# Altium PCB SMT2_1.PcbDoc (part 1 of 2)
Units mm, origin at the board's own origin, x right, y up, seen from the top; angles counter-clockwise.
Board outline 112.3 x 69.6 mm, 2 copper layers (Top Layer, Bottom Layer); 98 components, 70 nets, 401 pads, 85 vias.
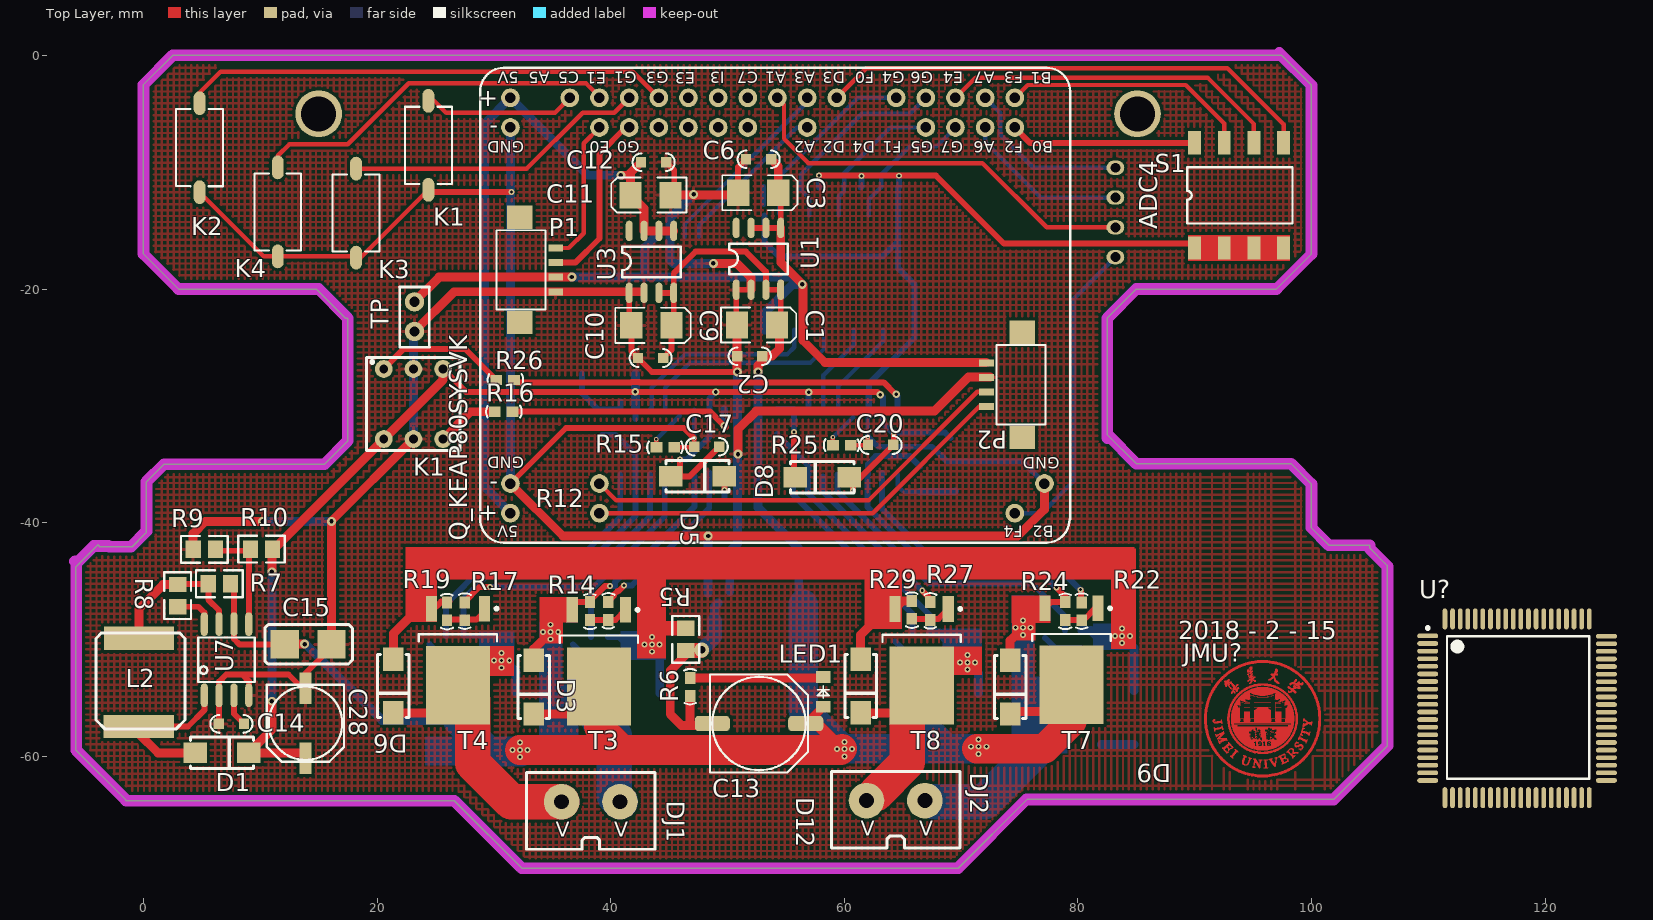
[diagram p0: Top Layer view]
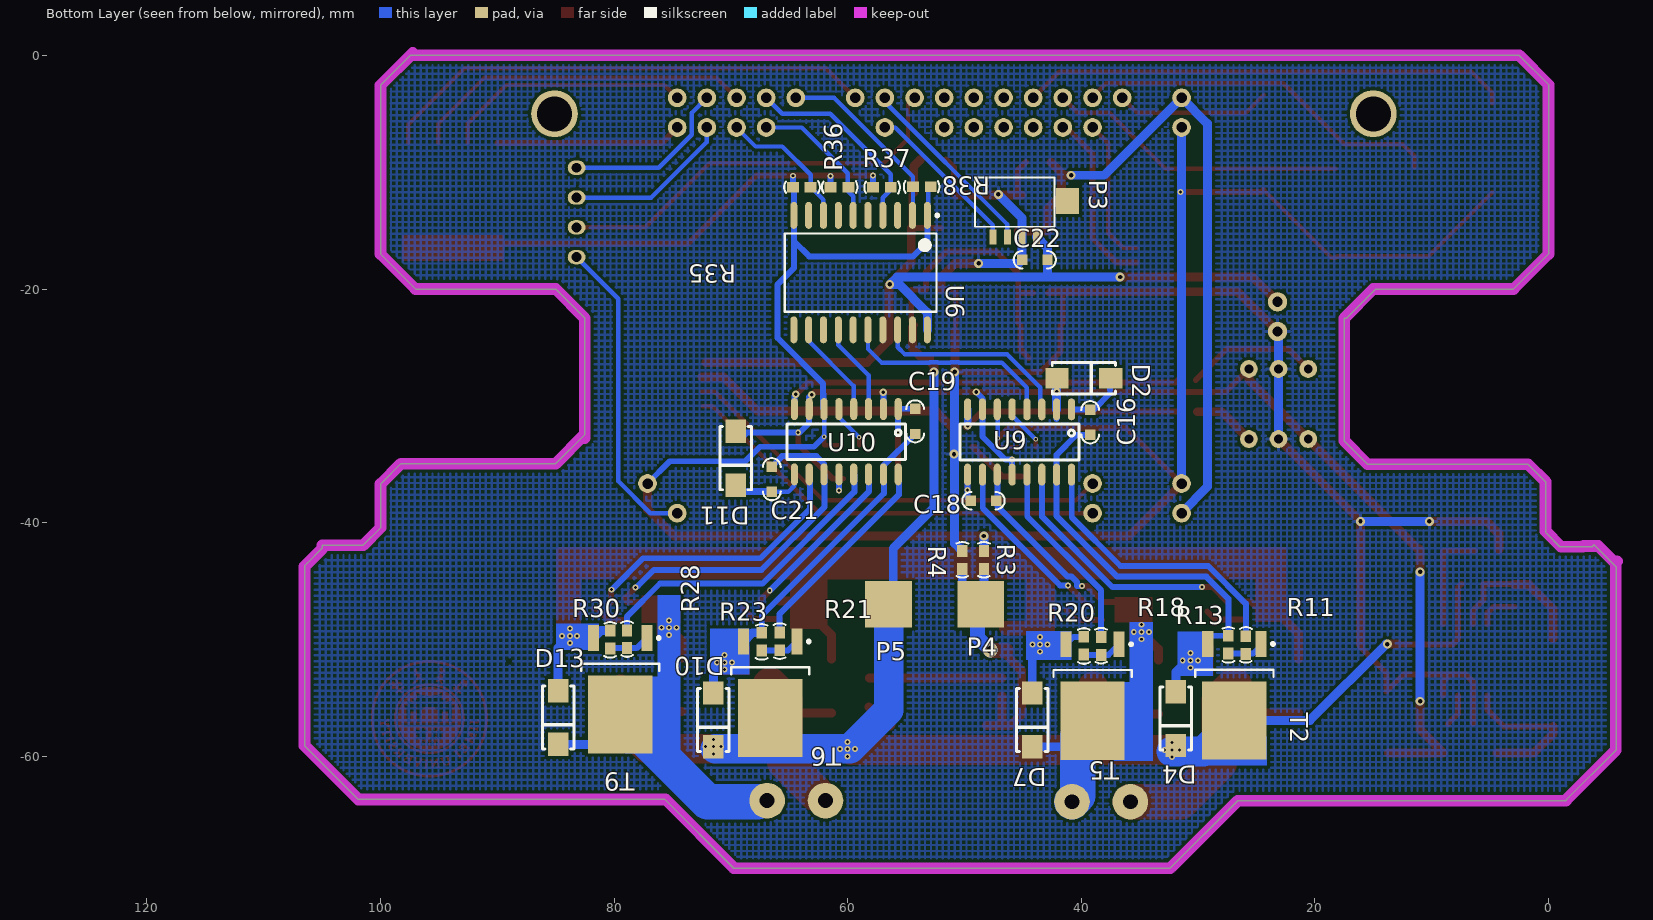
[diagram p1: Bottom Layer view, seen from below]
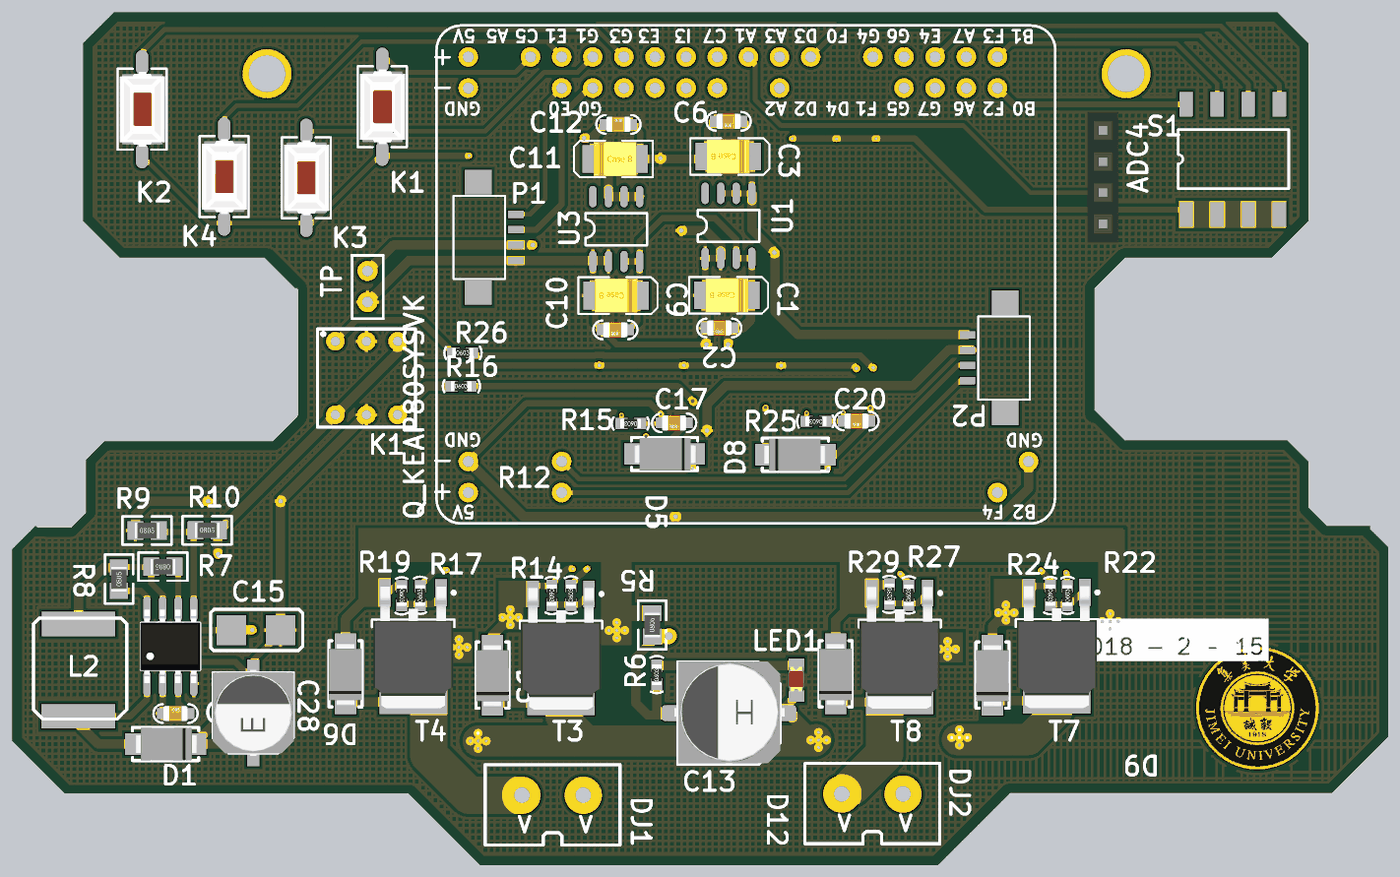
[diagram p3: 3D render of the assembled board from above, using the file's embedded part models]
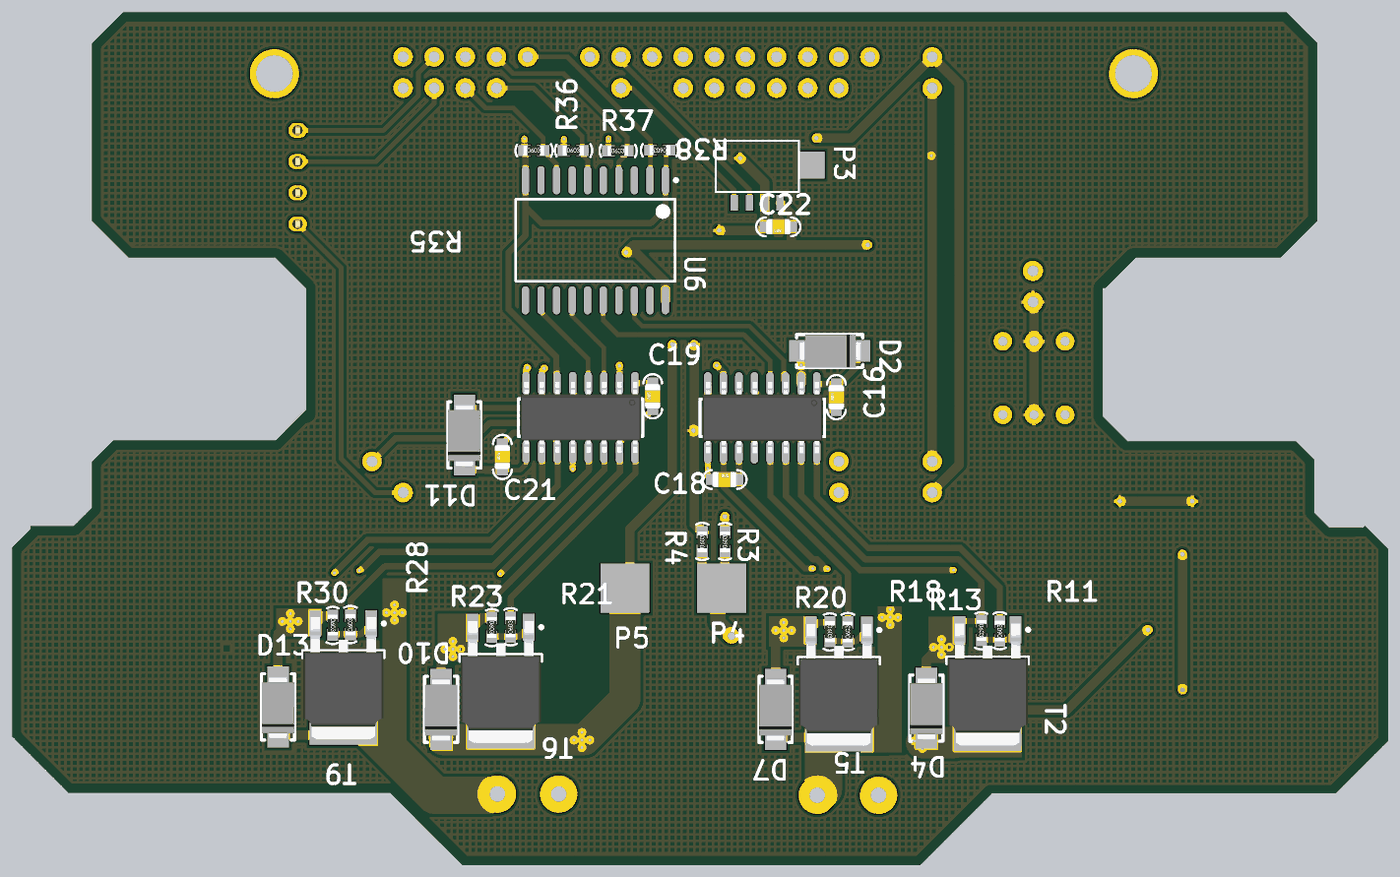
[diagram p4: 3D render of the assembled board from below, using the file's embedded part models]

## Layer stack, top to bottom
Top Layer: signal copper 0.0356
Dielectric: dielectric 0.32, FR-4, Dk 4.8
Bottom Layer: signal copper 0.0356

## Board outline
2.5,0 97.25,0 97.45,0 100,-2.55 100,-17 97,-20 85,-20 82.5,-22.5 82.5,-32.45 85,-34.95 98.25,-34.95 99.9,-36.6 100,-36.7 100,-40.45 101.486,-41.936 104.986,-41.936 104.986,-42.186 106.3,-43.5 106.5,-43.7 106.5,-59 106.5,-59.1 101.9,-63.7 75.8,-63.7 75.646,-63.7 69.75,-69.596 32.4,-69.596 32.396,-69.596 26.7,-63.9 26.6,-63.8 -1.5,-63.8 -1.5,-63.75 -5.75,-59.5 -5.8,-59.45 -5.8,-43.8 -3.9,-41.9 -3.738,-42.062 -1.067,-42.062 -0.962,-42.062 0.1,-41 0.254,-40.846 0.254,-36.5 1.754,-35 15.5,-35 17.5,-33 17.5,-22.5 17.3,-22.5 14.8,-20 3,-20 0,-17 0,-2.5 2.5,0

## Design rules (kind name [scope] priority, off if disabled: settings)
Clearance [All] p1: gap=0.254
PolygonConnect [All] p1: connectstyle=Relief reliefconductorwidth=0.254 reliefentries=4 polygonreliefangle="90 Angle"
RoutingVias [All] p1: holewidth=0.711 width=1.27 viastyle="Through Hole" minholewidth=0.711 minwidth=1.27 maxholewidth=0.711 maxwidth=1.27
SilkscreenOverComponentPads [All] p1: minsilkscreentomaskgap=0.254
SolderMaskExpansion [All] p1: expansion=0.102
Width [All] p1: maxlimit=3.81 minlimit=0.254 preferedwidth=0.254
27 further rules are at their usual default settings.

## Components (designator, comment, footprint, x,y, rotation, side; value= is the part's Value field where it differs from the comment)
ADC4 "ADC4" S0P4 83.21,-17.272 r90 top
C1 "pol cap" "pol cap(10uF)" 49.479,-21.311 r0 top
C2 "104" 0805-0C 52.984,-25.756 r180 top
C3 "pol cap" "pol cap(10uF)" 49.581,-9.982 r0 top
C6 "104" 0805-0C 53.746,-8.89 r180 top
C9 "pol cap" "pol cap(10uF)" 40.437,-21.336 r0 top
C10 "104" 0805-0C 44.501,-25.908 r180 top
C11 "pol cap" "pol cap(10uF)" 46.458,-13.739 r180 top
C12 "104" 0805-0C 42.596,-9.144 r0 top
C13 "Cap Pol SMT G" ED8 52.7,-57.2 r180 top
C14 "Cap Semi" 0805-0C 6.452,-57.226 r0 top
C15 "Cap Pol1" "胆电容 - duplicate" 14.097,-50.419 r0 top
C16 "105" 0805-0C 39.243,-32.487 r90 bottom
C17 "106" 0805-0C 49.301,-33.503 r180 top
C18 "105" 0805-0C 49.454,-38.125 r180 bottom
C19 "105" 0805-0C 54.229,-32.41 r90 bottom
C20 "106" 0805-0C 64.186,-33.35 r180 top
C21 "105" 0805-0C 66.497,-37.363 r90 bottom
C22 "104" 0805-0C 42.9,-17.5 r0 bottom
C28 "Cap Pol SMT G" ED6.3 13.868,-57.175 r90 top
D1 "*" 二极管 6.833,-59.715 r0 top
D2 "*" 二极管 39.675,-27.635 r180 bottom
D3 "*" 二极管 33.4,-54.2 r270 top
D4 "*" 二极管 31.9,-56.9 r270 bottom
D5 "*" 二极管 47.549,-36.043 r0 top
D6 "*" 二极管 21.4,-54.1 r270 top
D7 "*" 二极管 44.2,-57 r270 bottom
D8 "*" 二极管 58,-36.1 r180 top
D9 "*" 二极管 74.2,-54.2 r270 top
D10 "*" 二极管 71.5,-57 r270 bottom
D11 "*" 二极管 69.6,-34.6 r270 bottom
D12 "*" 二极管 61.4,-54.1 r270 top
D13 "*" 二极管 84.8,-56.8 r270 bottom
DJ1 "接线端子" 接线端子 38.3,-63.9 r0 top
DJ2 "接线端子" 接线端子 64.4,-63.8 r0 top
JMU? "LOGO(JMU)" JMU_logo 95.8,-61.8 r0 top
K1 "Key Press" K_Press 24.4,-7.7 r270 top
K1 "*" 六脚开关 23.114,-29.845 r0 top
K2 "Key Press" K_Press 4.8,-7.9 r270 top
K3 "Key Press" K_Press 18.2,-13.5 r270 top
K4 "Key Press" K_Press 11.5,-13.4 r270 top
L2 "Inductor" 电感（220uh） -0.254,-53.721 r270 top
LED1 "LED" LED(0805) 58.2,-54.5 r90 top
P1 "Header 4" WAFER4#1 33.757,-18.364 r90 top
P2 "Header 4" WAFER4#1 73.7,-28.2 r270 top
P3 "Header 4" WAFER4#2 45.7,-14 r180 bottom
P4 "POWER_PIN" POWER_PIN 48.6,-47 r180 bottom
P5 "POWER_PIN" POWER_PIN 56.5,-47 r180 bottom
Q_KEAP80SYSVK "LQ_KEAP80SYSVK" LQ_KEAP80SYSVK 77.14,-36.652 r180 top locked
R3 "0K" 0603 48.336,-43.332 r90 bottom
R4 "0K" 0603 50.19,-43.332 r90 bottom
R5 "0K" 0805 46.3,-50 r90 top
R6 "10K" 0603 46.8,-54.2 r90 top
R7 "0.22R" 0805 6.502,-45.364 r180 top
R8 "180R" 0805 2.794,-46.253 r90 top
R9 "1.5K" 0805 5.207,-42.164 r0 top
R10 "13K" 0805 10.109,-42.139 r0 top
R11 "33R" 0603 25.909,-50.62 r90 bottom
R12 "33R" 0603 39.802,-47.701 r90 top
R13 "10K" 0603 27.409,-50.32 r270 bottom
R14 "10K" 0603 38.227,-47.447 r270 top
R15 "10K" 0603 44.806,-33.553 r180 top
R16 "10K" 0603 30.709,-30.505 r0 top
R17 "33R" 0603 27.508,-47.727 r90 top
R18 "33R" 0603 38.306,-50.691 r90 bottom
R19 "10K" 0603 25.984,-47.473 r270 top
R20 "10K" 0603 39.779,-50.412 r270 bottom
R21 "33R" 0603 65.824,-50.296 r90 bottom
R22 "33R" 0603 80.315,-47.727 r90 top
R23 "10K" 0603 67.361,-50.063 r270 bottom
R24 "10K" 0603 78.918,-47.447 r270 top
R25 "10K" 0603 59.919,-33.376 r180 top
R26 "10K" 0603 30.836,-27.788 r0 top
R27 "33R" 0603 67.361,-47.701 r90 top
R28 "33R" 0603 78.892,-50.114 r90 bottom
R29 "10K" 0603 65.786,-47.346 r270 top
R30 "10K" 0603 80.34,-49.886 r270 bottom
R35 "10K" 0603 64.062,-11.273 r180 bottom
R36 "10K" 0603 60.837,-11.273 r180 bottom
R37 "10K" 0603 57.204,-11.298 r180 bottom
R38 "10K" 0603 53.521,-11.247 r0 bottom
S1 "*" Switch_4P 89.992,-11.989 r90 top
T2 "IRLR7843" IRLR7843(MOS) 26.391,-55.931 r270 bottom
T3 "IRLR7843" IRLR7843(MOS) 39.501,-53.015 r270 top
T4 "IRLR7843" IRLR7843(MOS) 27.432,-52.908 r270 top
T5 "IRLR7843" IRLR7843(MOS) 38.531,-55.957 r270 bottom
T6 "IRLR7843" IRLR7843(MOS) 66.126,-55.724 r270 bottom
T7 "IRLR7843" IRLR7843(MOS) 79.959,-52.883 r270 top
T8 "IRLR7843" IRLR7843(MOS) 67.132,-52.934 r270 top
T9 "IRLR7843" IRLR7843(MOS) 78.969,-55.423 r270 bottom
TP "TP" 2P 23.2,-21.1 r0 top
U1 "TPS7350" SOIC-8(TPS7333/50) 50.114,-20.955 r90 top
U3 "TPS7350" SOIC-8(TPS7333/50) 40.953,-21.217 r90 top
U6 "74LS244" 74LS244D 58.9,-18.6 r270 bottom
U7 "MC34063" MA34063 6.985,-51.613 r90 top
U9 "HIP4082I" HIP4082I 44.907,-33.096 r270 bottom locked
U10 "HIP4082I" HIP4082I 59.741,-33.071 r270 bottom locked
U? "KEA128" LQFP80 117.6,-55.9 r0 top

## Footprints (in the part's own frame and the unit in brackets; to place one, negate y for a bottom-side part, rotate by r counter-clockwise, add the part's x,y. Pads: shape width x height; smd on the part's side, far side on the other; paste and mask are expansions set on the pad)
2P [mil]
  round 65 hole 35: 1(0,0) 2(0,-100)
  silkscreen extent -50,-154 51,50
74LS244D [mm]
  oval 2.3x0.6 smd: 1(-4.9,5.715) 2(-4.9,4.445) 3(-4.9,3.175) 4(-4.9,1.905) 5(-4.9,0.635) 6(-4.9,-0.635) 7(-4.9,-1.905) 8(-4.9,-3.175) 9(-4.9,-4.445) 10(-4.9,-5.715) 11(4.9,-5.715) 12(4.9,-4.445) 13(4.9,-3.175) 14(4.9,-1.905) 15(4.9,-0.635) 16(4.9,0.635) 17(4.9,1.905) 18(4.9,3.175) 19(4.9,4.445) 20(4.9,5.715)
  silkscreen extent -5.02,-6.5 3.35,6.69, body extent -3.8,-6.5 3.8,6.5, height 2.65
0603 [mil]
  rect 40x35 smd: 1(-25,0) 2(35,0)
  silkscreen extent -54,-20 66,20, body extent -28,-16 38,16, height 22
0805 [mm]
  rect 1.3x1.5 smd: 1(-0.95,-0.127) 2(0.95,-0.127)
  silkscreen extent -2,-1.28 2,1.02, body extent -1,-0.76 1,0.5, height 0.55
0805-0C [mil]
  rect 35x35 smd: 1(0,0) 2(85,0)
  silkscreen extent -28,-30 113,30, body extent 3,-25 82,25, height 30
ED6.3 [mm]
  rect 2.7x1 smd: 1(-3,0) 2(3,0)
  silkscreen extent -3.3,-3.3 3.3,3.3, body extent -3.5,-3.3 3.5,3.3, height 5.2
ED8 [mm]
  rrect50% 3x1.3 smd: 1(-4,0) 2(4,0)
  silkscreen extent -4.2,-4.2 4.2,4.2, body extent -4.52,-4.22 4.48,4.08, height 10.5
HIP4082I [mil]
  oval 74x24 smd: 1(-110,160) 2(-110,110) 3(-110,60) 4(-110,10) 5(-110,-40) 6(-110,-90) 7(-110,-140) 8(-110,-190) 9(110,-190) 10(110,-140) 11(110,-90) 12(110,-40) 13(110,10) 14(110,60) 15(110,110) 16(110,160)
  silkscreen extent -60,-215 60,185, body extent -115,-207 113,179, height 69
IRLR7843(MOS) [mm]
  rect 2.2x0.95 smd: 1(-5.543,1.772) 3(-5.543,-2.788)
  rect 6.7x5.5 smd: 2(1.007,-0.508)
  silkscreen extent -5.67,-3.86 -2.74,2.92, body extent -6.04,-3.78 3.9,2.76, height 2.39
JMU_logo [mm]
  round 10.16 on Top Solder: 0(0,5)
  Top Layer region: 917 vertices and 1 holes, not listed, extent -4.973,0.016 5.009,9.998
  Top Layer region: 557 vertices and 1 holes, not listed, extent -2.992,1.997 3.028,8.017
  Top Layer region: 309 vertices and 19 holes, not listed, extent -2.687,4.766 2.723,7.712
  Top Layer region: 261 vertices and 22 holes, not listed, extent -2.662,2.302 2.698,4.69
  Top Layer region: 251 vertices and 0 holes, not listed, extent 2.164,7.204 3.511,8.195
  Top Layer region: 219 vertices and 1 holes, not listed, extent -3.271,7.154 -2.077,8.398
  Top Layer region: 241 vertices and 4 holes, not listed, extent -1.29,8.017 -0.604,9.465
  Top Layer region: 155 vertices and 0 holes, not listed, extent 0.513,8.017 1.453,9.287
  Top Layer region: 195 vertices and 0 holes, not listed, extent -4.033,2.861 -2.992,3.953
  Top Layer region: 139 vertices and 1 holes, not listed, extent 2.063,1.616 3.079,2.48
  Top Layer region: -0.706,1.566 -0.579,1.566 -0.579,1.54 -0.553,1.54 -0.553,1.489 -0.528,1.489 -0.528,1.439 -0.503,1.439 -0.503,1.413 -0.477,1.413 -0.477,1.362 -0.452,1.362 -0.452,1.337 -0.426,1.337 -0.426,1.286 -0.401,1.286 -0.401,1.235 -0.376,1.235 -0.376,1.21 -0.35,1.21 -0.35,1.159 -0.325,1.159 -0.325,1.108 -0.299,1.108 -0.299,1.083 -0.274,1.083 -0.274,1.032 -0.249,1.032 -0.249,1.235 -0.223,1.235 -0.223,1.464 -0.299,1.464 -0.299,1.515 -0.122,1.515 -0.122,1.489 -0.02,1.489 -0.02,1.464 -0.045,1.464 -0.045,1.439 -0.122,1.439 -0.122,1.388 -0.147,1.388 -0.147,1.235 -0.172,1.235 -0.172,1.032 -0.198,1.032 -0.198,0.829 -0.223,0.829 -0.223,0.778 -0.274,0.778 -0.274,0.829 -0.299,0.829 -0.299,0.854 -0.325,0.854 -0.325,0.905 -0.35,0.905 -0.35,0.931 -0.376,0.931 -0.376,0.981 -0.401,0.981 -0.401,1.032 -0.426,1.032 -0.426,1.058 -0.452,1.058 -0.452,1.108 -0.477,1.108 -0.477,1.134 -0.503,1.134 -0.503,1.185 -0.528,1.185 -0.528,1.235 -0.553,1.235 -0.553,1.286 -0.579,1.286 -0.579,1.312 -0.604,1.312 -0.604,1.362 -0.63,1.362 -0.63,1.261 -0.655,1.261 -0.655,1.058 -0.68,1.058 -0.68,0.88 -0.604,0.88 -0.604,0.829 -0.807,0.829 -0.807,0.854 -0.884,0.854 -0.884,0.88 -0.858,0.88 -0.858,0.905 -0.782,0.905 -0.782,0.931 -0.757,0.931 -0.757,1.058 -0.731,1.058 -0.731,1.261 -0.706,1.261 -0.706,1.439 -0.68,1.439 -0.68,1.464 -0.706,1.464 -0.706,1.515 -0.757,1.515 -0.757,1.54 -0.782,1.54 -0.782,1.591 -0.706,1.591
  Top Layer region: 177 vertices and 0 holes, not listed, extent 1.352,1.108 2.241,2.023
  Top Layer region: 215 vertices and 0 holes, not listed, extent -3.449,2.074 -2.509,3.013
  Top Layer region: -1.62,1.87 -1.569,1.87 -1.569,1.845 -1.493,1.845 -1.493,1.82 -1.442,1.82 -1.442,1.794 -1.366,1.794 -1.366,1.769 -1.341,1.769 -1.341,1.718 -1.392,1.718 -1.392,1.743 -1.442,1.743 -1.442,1.718 -1.468,1.718 -1.468,1.667 -1.493,1.667 -1.493,1.591 -1.519,1.591 -1.519,1.515 -1.544,1.515 -1.544,1.464 -1.569,1.464 -1.569,1.388 -1.595,1.388 -1.595,1.312 -1.62,1.312 -1.62,1.185 -1.595,1.185 -1.595,1.159 -1.569,1.159 -1.569,1.134 -1.544,1.134 -1.544,1.108 -1.493,1.108 -1.493,1.083 -1.341,1.083 -1.341,1.108 -1.315,1.108 -1.315,1.134 -1.29,1.134 -1.29,1.159 -1.265,1.159 -1.265,1.185 -1.239,1.185 -1.239,1.235 -1.214,1.235 -1.214,1.312 -1.188,1.312 -1.188,1.388 -1.163,1.388 -1.163,1.439 -1.138,1.439 -1.138,1.515 -1.112,1.515 -1.112,1.616 -1.138,1.616 -1.138,1.642 -1.163,1.642 -1.163,1.693 -1.112,1.693 -1.112,1.667 -1.036,1.667 -1.036,1.642 -0.985,1.642 -0.985,1.616 -0.909,1.616 -0.909,1.566 -1.011,1.566 -1.011,1.54 -1.036,1.54 -1.036,1.489 -1.061,1.489 -1.061,1.439 -1.087,1.439 -1.087,1.362 -1.112,1.362 -1.112,1.286 -1.138,1.286 -1.138,1.235 -1.163,1.235 -1.163,1.185 -1.188,1.185 -1.188,1.134 -1.214,1.134 -1.214,1.083 -1.265,1.083 -1.265,1.058 -1.29,1.058 -1.29,1.032 -1.341,1.032 -1.341,1.007 -1.493,1.007 -1.493,1.032 -1.569,1.032 -1.569,1.058 -1.62,1.058 -1.62,1.083 -1.671,1.083 -1.671,1.108 -1.696,1.108 -1.696,1.134 -1.722,1.134 -1.722,1.185 -1.747,1.185 -1.747,1.362 -1.722,1.362 -1.722,1.439 -1.696,1.439 -1.696,1.515 -1.671,1.515 -1.671,1.566 -1.646,1.566 -1.646,1.642 -1.62,1.642 -1.62,1.718 -1.595,1.718 -1.595,1.82 -1.646,1.82 -1.646,1.896 -1.62,1.896
  Top Layer region: 3.561,5.02 3.587,5.02 3.587,4.944 3.612,4.944 3.612,4.918 3.663,4.918 3.663,4.893 3.688,4.893 3.688,4.868 3.714,4.868 3.714,4.842 3.739,4.842 3.739,4.817 3.79,4.817 3.79,4.791 3.815,4.791 3.815,4.766 3.841,4.766 3.841,4.741 3.866,4.741 3.866,4.715 3.917,4.715 3.917,4.69 4.12,4.69 4.12,4.664 4.171,4.664 4.171,4.69 4.196,4.69 4.196,4.766 4.247,4.766 4.247,4.639 4.222,4.639 4.222,4.436 4.171,4.436 4.171,4.512 4.146,4.512 4.146,4.537 4.019,4.537 4.019,4.563 3.892,4.563 3.892,4.537 3.841,4.537 3.841,4.512 3.79,4.512 3.79,4.487 3.739,4.487 3.739,4.461 3.688,4.461 3.688,4.436 3.663,4.436 3.663,4.41 3.612,4.41 3.612,4.385 3.561,4.385 3.561,4.36 3.536,4.36 3.536,4.334 3.511,4.334 3.511,4.283 3.46,4.283 3.46,4.487 3.485,4.487 3.485,4.614 3.536,4.614 3.536,4.537 3.587,4.537 3.587,4.563 3.638,4.563 3.638,4.588 3.688,4.588 3.688,4.614 3.739,4.614 3.739,4.639 3.79,4.639 3.79,4.664 3.815,4.664 3.815,4.69 3.79,4.69 3.79,4.715 3.765,4.715 3.765,4.741 3.714,4.741 3.714,4.766 3.688,4.766 3.688,4.791 3.663,4.791 3.663,4.817 3.612,4.817 3.612,4.842 3.561,4.842 3.561,4.791 3.511,4.791 3.511,4.944 3.536,4.944 3.536,5.045 3.561,5.045
  Top Layer region: 2.952,3.013 3.003,3.013 3.003,2.988 3.053,2.988 3.053,2.963 3.104,2.963 3.104,2.912 2.901,2.912 2.901,2.886 2.876,2.886 2.876,2.861 2.85,2.861 2.85,2.836 2.825,2.836 2.825,2.759 2.85,2.759 2.85,2.734 2.876,2.734 2.876,2.709 3.003,2.709 3.003,2.734 3.053,2.734 3.053,2.759 3.104,2.759 3.104,2.785 3.18,2.785 3.18,2.81 3.384,2.81 3.384,2.785 3.409,2.785 3.409,2.759 3.434,2.759 3.434,2.734 3.46,2.734 3.46,2.709 3.485,2.709 3.485,2.505 3.46,2.505 3.46,2.48 3.434,2.48 3.434,2.429 3.409,2.429 3.409,2.404 3.384,2.404 3.384,2.378 3.333,2.378 3.333,2.302 3.282,2.302 3.282,2.328 3.231,2.328 3.231,2.353 3.18,2.353 3.18,2.378 3.104,2.378 3.104,2.429 3.307,2.429 3.307,2.455 3.358,2.455 3.358,2.48 3.384,2.48 3.384,2.505 3.409,2.505 3.409,2.607 3.384,2.607 3.384,2.658 3.307,2.658 3.307,2.683 3.257,2.683 3.257,2.658 3.18,2.658 3.18,2.632 3.13,2.632 3.13,2.607 3.079,2.607 3.079,2.582 2.977,2.582 2.977,2.556 2.926,2.556 2.926,2.582 2.85,2.582 2.85,2.607 2.825,2.607 2.825,2.632 2.799,2.632 2.799,2.658 2.774,2.658 2.774,2.709 2.749,2.709 2.749,2.81 2.774,2.81 2.774,2.861 2.799,2.861 2.799,2.912 2.825,2.912 2.825,2.937 2.85,2.937 2.85,2.963 2.901,2.963 2.901,3.039 2.952,3.039
  Top Layer region: 1.275,1.667 1.25,1.667 1.25,1.642 1.225,1.642 1.225,1.54 1.199,1.54 1.199,1.388 1.174,1.388 1.174,1.235 1.148,1.235 1.148,1.108 1.123,1.108 1.123,1.083 1.148,1.083 1.148,1.058 1.123,1.058 1.123,0.931 1.098,0.931 1.098,0.88 1.072,0.88 1.072,0.905 1.047,0.905 1.047,0.931 1.021,0.931 1.021,0.956 0.996,0.956 0.996,0.981 0.971,0.981 0.971,1.032 0.945,1.032 0.945,1.058 0.92,1.058 0.92,1.083 0.894,1.083 0.894,1.134 0.869,1.134 0.869,1.159 0.844,1.159 0.844,1.185 0.818,1.185 0.818,1.235 0.793,1.235 0.793,1.261 0.767,1.261 0.767,1.312 0.742,1.312 0.742,1.337 0.717,1.337 0.717,1.362 0.691,1.362 0.691,1.413 0.666,1.413 0.666,1.439 0.64,1.439 0.64,1.464 0.615,1.464 0.615,1.489 0.539,1.489 0.539,1.54 0.615,1.54 0.615,1.566 0.717,1.566 0.717,1.591 0.818,1.591 0.818,1.616 0.844,1.616 0.844,1.54 0.767,1.54 0.767,1.515 0.793,1.515 0.793,1.464 0.818,1.464 0.818,1.413 0.844,1.413 0.844,1.388 0.869,1.388 0.869,1.362 0.894,1.362 0.894,1.312 0.92,1.312 0.92,1.286 0.945,1.286 0.945,1.261 0.971,1.261 0.971,1.21 0.996,1.21 0.996,1.185 1.021,1.185 1.021,1.159 1.047,1.159 1.047,1.134 1.072,1.134 1.072,1.261 1.098,1.261 1.098,1.388 1.123,1.388 1.123,1.566 1.148,1.566 1.148,1.616 1.047,1.616 1.047,1.667 1.123,1.667 1.123,1.693 1.25,1.693 1.25,1.718 1.275,1.718
  Top Layer region: 3.511,4.207 3.587,4.207 3.587,4.182 3.638,4.182 3.638,4.131 3.485,4.131 3.485,4.08 3.46,4.08 3.46,4.029 3.434,4.029 3.434,3.979 3.46,3.979 3.46,3.953 3.536,3.953 3.536,3.928 3.612,3.928 3.612,3.902 3.714,3.902 3.714,3.877 3.79,3.877 3.79,3.852 3.866,3.852 3.866,3.826 3.942,3.826 3.942,3.801 4.019,3.801 4.019,3.826 4.044,3.826 4.044,3.877 4.095,3.877 4.095,3.801 4.069,3.801 4.069,3.725 4.044,3.725 4.044,3.623 4.019,3.623 4.019,3.547 3.968,3.547 3.968,3.648 3.942,3.648 3.942,3.674 3.892,3.674 3.892,3.699 3.815,3.699 3.815,3.725 3.739,3.725 3.739,3.75 3.663,3.75 3.663,3.775 3.561,3.775 3.561,3.801 3.485,3.801 3.485,3.826 3.409,3.826 3.409,3.852 3.384,3.852 3.384,3.775 3.358,3.775 3.358,3.674 3.384,3.674 3.384,3.623 3.434,3.623 3.434,3.598 3.46,3.598 3.46,3.572 3.358,3.572 3.358,3.598 3.282,3.598 3.282,3.623 3.257,3.623 3.257,3.674 3.282,3.674 3.282,3.775 3.307,3.775 3.307,3.852 3.333,3.852 3.333,3.928 3.358,3.928 3.358,4.004 3.384,4.004 3.384,4.08 3.409,4.08 3.409,4.182 3.434,4.182 3.434,4.233 3.511,4.233
  Top Layer region: -4.084,4.918 -4.059,4.918 -4.059,4.868 -4.084,4.868 -4.084,4.842 -4.109,4.842 -4.109,4.817 -4.16,4.817 -4.16,4.766 -3.881,4.766 -3.881,4.791 -3.576,4.791 -3.576,4.817 -3.525,4.817 -3.525,4.918 -3.474,4.918 -3.474,4.741 -3.449,4.741 -3.449,4.588 -3.474,4.588 -3.474,4.563 -3.5,4.563 -3.5,4.639 -3.525,4.639 -3.525,4.664 -3.779,4.664 -3.779,4.639 -4.135,4.639 -4.135,4.664 -4.16,4.664 -4.16,4.69 -4.186,4.69 -4.186,4.715 -4.211,4.715 -4.211,4.766 -4.236,4.766 -4.236,4.868 -4.211,4.868 -4.211,4.918 -4.186,4.918 -4.186,4.944 -4.084,4.944
  Top Layer region: 3.231,3.521 3.257,3.521 3.257,3.496 3.231,3.496 3.231,3.42 3.257,3.42 3.257,3.394 3.307,3.394 3.307,3.369 3.358,3.369 3.358,3.344 3.409,3.344 3.409,3.318 3.46,3.318 3.46,3.293 3.511,3.293 3.511,3.267 3.561,3.267 3.561,3.242 3.612,3.242 3.612,3.217 3.663,3.217 3.663,3.191 3.714,3.191 3.714,3.166 3.79,3.166 3.79,3.191 3.815,3.191 3.815,3.217 3.866,3.217 3.866,3.191 3.841,3.191 3.841,3.14 3.815,3.14 3.815,3.064 3.79,3.064 3.79,3.013 3.765,3.013 3.765,2.963 3.739,2.963 3.739,2.912 3.688,2.912 3.688,3.039 3.663,3.039 3.663,3.064 3.612,3.064 3.612,3.09 3.536,3.09 3.536,3.115 3.511,3.115 3.511,3.14 3.46,3.14 3.46,3.166 3.409,3.166 3.409,3.191 3.358,3.191 3.358,3.217 3.307,3.217 3.307,3.242 3.257,3.242 3.257,3.267 3.206,3.267 3.206,3.293 3.155,3.293 3.155,3.267 3.13,3.267 3.13,3.242 3.104,3.242 3.104,3.217 3.079,3.217 3.079,3.242 3.053,3.242 3.053,3.267 3.079,3.267 3.079,3.318 3.104,3.318 3.104,3.369 3.13,3.369 3.13,3.42 3.155,3.42 3.155,3.471 3.18,3.471 3.18,3.521 3.206,3.521 3.206,3.547 3.231,3.547
  Top Layer region: -3.424,4.309 -3.398,4.309 -3.398,4.182 -3.373,4.182 -3.373,4.08 -3.424,4.08 -3.424,4.131 -3.449,4.131 -3.449,4.156 -3.576,4.156 -3.576,4.131 -3.703,4.131 -3.703,4.106 -3.83,4.106 -3.83,4.08 -3.957,4.08 -3.957,4.055 -4.033,4.055 -4.033,4.029 -4.059,4.029 -4.059,3.928 -4.084,3.928 -4.084,3.953 -4.109,3.953 -4.109,4.08 -4.135,4.08 -4.135,4.207 -4.16,4.207 -4.16,4.258 -4.135,4.258 -4.135,4.283 -4.109,4.283 -4.109,4.233 -4.084,4.233 -4.084,4.207 -4.059,4.207 -4.059,4.182 -4.033,4.182 -4.033,4.207 -3.881,4.207 -3.881,4.233 -3.779,4.233 -3.779,4.258 -3.627,4.258 -3.627,4.283 -3.525,4.283 -3.525,4.309 -3.474,4.309 -3.474,4.41 -3.424,4.41
  Top Layer region: -2.306,2.378 -2.281,2.378 -2.281,2.353 -2.255,2.353 -2.255,2.328 -2.23,2.328 -2.23,2.302 -2.204,2.302 -2.204,2.277 -2.154,2.277 -2.154,2.251 -2.128,2.251 -2.128,2.226 -2.103,2.226 -2.103,2.201 -2.077,2.201 -2.077,2.15 -2.128,2.15 -2.128,2.175 -2.204,2.175 -2.204,2.15 -2.23,2.15 -2.23,2.124 -2.255,2.124 -2.255,2.099 -2.281,2.099 -2.281,2.074 -2.306,2.074 -2.306,2.023 -2.331,2.023 -2.331,1.997 -2.357,1.997 -2.357,1.972 -2.382,1.972 -2.382,1.947 -2.408,1.947 -2.408,1.921 -2.433,1.921 -2.433,1.87 -2.458,1.87 -2.458,1.845 -2.484,1.845 -2.484,1.82 -2.509,1.82 -2.509,1.794 -2.535,1.794 -2.535,1.743 -2.56,1.743 -2.56,1.693 -2.535,1.693 -2.535,1.667 -2.509,1.667 -2.509,1.642 -2.535,1.642 -2.535,1.616 -2.56,1.616 -2.56,1.642 -2.585,1.642 -2.585,1.667 -2.611,1.667 -2.611,1.693 -2.636,1.693 -2.636,1.718 -2.687,1.718 -2.687,1.743 -2.712,1.743 -2.712,1.769 -2.738,1.769 -2.738,1.794 -2.763,1.794 -2.763,1.82 -2.789,1.82 -2.789,1.845 -2.712,1.845 -2.712,1.82 -2.662,1.82 -2.662,1.845 -2.636,1.845 -2.636,1.87 -2.611,1.87 -2.611,1.896 -2.585,1.896 -2.585,1.947 -2.56,1.947 -2.56,1.972 -2.535,1.972 -2.535,1.997 -2.509,1.997 -2.509,2.023 -2.484,2.023 -2.484,2.074 -2.458,2.074 -2.458,2.099 -2.433,2.099 -2.433,2.124 -2.408,2.124 -2.408,2.15 -2.382,2.15 -2.382,2.175 -2.357,2.175 -2.357,2.226 -2.331,2.226 -2.331,2.251 -2.306,2.251 -2.306,2.328 -2.331,2.328 -2.331,2.353 -2.357,2.353 -2.357,2.378 -2.331,2.378 -2.331,2.404 -2.306,2.404
  Top Layer region: 0.437,1.464 0.361,1.464 0.361,1.439 0.336,1.439 0.336,1.235 0.361,1.235 0.361,0.88 0.386,0.88 0.386,0.829 0.488,0.829 0.488,0.804 0.463,0.804 0.463,0.778 0.132,0.778 0.132,0.804 0.158,0.804 0.158,0.829 0.234,0.829 0.234,1.083 0.209,1.083 0.209,1.439 0.158,1.439 0.158,1.464 0.107,1.464 0.107,1.515 0.437,1.515
  Top Layer region: 2.926,8.322 2.952,8.322 2.952,8.271 2.926,8.271 2.926,8.246 2.901,8.246 2.901,8.22 2.876,8.22 2.876,8.17 2.85,8.17 2.85,8.144 2.825,8.144 2.825,8.119 2.774,8.119 2.774,8.093 2.723,8.093 2.723,8.119 2.698,8.119 2.698,8.195 2.723,8.195 2.723,8.246 2.749,8.246 2.749,8.271 2.774,8.271 2.774,8.297 2.799,8.297 2.799,8.322 2.825,8.322 2.825,8.373 2.926,8.373
  Top Layer region: -0.782,8.347 -0.706,8.347 -0.706,8.322 -0.63,8.322 -0.63,8.297 -0.579,8.297 -0.579,8.271 -0.553,8.271 -0.553,8.195 -0.579,8.195 -0.579,8.17 -0.68,8.17 -0.68,8.195 -0.706,8.195 -0.706,8.246 -0.757,8.246 -0.757,8.271 -0.807,8.271 -0.807,8.297 -0.833,8.297 -0.833,8.347 -0.807,8.347 -0.807,8.373 -0.782,8.373
  Top Layer region: -2.027,7.636 -2.001,7.636 -2.001,7.611 -2.027,7.611 -2.027,7.56 -2.052,7.56 -2.052,7.535 -2.103,7.535 -2.103,7.509 -2.128,7.509 -2.128,7.484 -2.179,7.484 -2.179,7.509 -2.154,7.509 -2.154,7.56 -2.179,7.56 -2.179,7.535 -2.23,7.535 -2.23,7.585 -2.204,7.585 -2.204,7.611 -2.179,7.611 -2.179,7.636 -2.154,7.636 -2.154,7.662 -2.103,7.662 -2.103,7.687 -2.027,7.687
  Top Layer region: -2.382,7.331 -2.331,7.331 -2.331,7.204 -2.357,7.204 -2.357,7.179 -2.408,7.179 -2.408,7.204 -2.433,7.204 -2.433,7.23 -2.458,7.23 -2.458,7.357 -2.382,7.357
  Top Layer region: -0.503,3.445 -0.528,3.445 -0.528,3.42 -0.553,3.42 -0.553,3.394 -0.604,3.394 -0.604,3.42 -0.63,3.42 -0.63,3.471 -0.553,3.471 -0.553,3.496 -0.503,3.496
  Top Layer region: -0.579,3.699 -0.553,3.699 -0.553,3.674 -0.528,3.674 -0.528,3.648 -0.553,3.648 -0.553,3.623 -0.579,3.623 -0.579,3.598 -0.604,3.598 -0.604,3.725 -0.579,3.725
  Top Layer region: -0.833,3.369 -0.858,3.369 -0.858,3.344 -0.934,3.344 -0.934,3.394 -0.884,3.394 -0.884,3.42 -0.833,3.42
  Top Layer region: 0.945,3.852 0.92,3.852 0.92,3.826 0.869,3.826 0.869,3.902 0.945,3.902
  Top Layer region: 0.463,3.699 0.437,3.699 0.437,3.725 0.463,3.725
K_Press [mil]
  oval 80x40 smd: 1(-150,0) 2(150,0)
  silkscreen extent -130,-79 130,79, body extent -120,-72 120,74, height 98
LED(0805) [mil]
  rect 40x50 smd: 1(-50,0) 2(50,0)
  silkscreen extent -20,-20 20,20, body extent -37,-24 43,25, height 43
LQ_KEAP80SYSVK [mm]
  round 1.6 hole 0.9: 3(2.54,-33.02) 4(2.54,-30.48) 5(5.08,-33.02) 6(5.08,-30.48) 7(7.62,-33.02) 8(7.62,-30.48) 9(10.16,-33.02) 10(10.16,-30.48) 11(12.7,-33.02) 15(17.78,-33.02) 17(20.32,-33.02) 18(20.32,-30.48) 19(22.86,-33.02) 21(25.4,-33.02) 22(25.4,-30.48) 23(27.94,-33.02) 24(27.94,-30.48) 25(30.48,-33.02) 26(30.48,-30.48) 27(33.02,-33.02) 28(33.02,-30.48) 29(35.56,-33.02) 30(35.56,-30.48) 31(38.1,-33.02) 32(38.1,-30.48) 33(40.64,-33.02) 37(45.72,-33.02) 38(45.72,-30.48) 39(0,0) 42(2.54,2.54) 69(38.1,0) 70(38.1,2.54) 75(45.72,0) 76(45.72,2.54)
  silkscreen extent -2.19,-35.58 48.31,5.07
LQFP80 [mm]
  oval 1.8x0.4 smd: 1(-7.65,6.202) 2(-7.65,5.551) 3(-7.65,4.899) 4(-7.65,4.248) 5(-7.65,3.596) 6(-7.65,2.945) 7(-7.65,2.294) 8(-7.65,1.642) 9(-7.65,0.991) 10(-7.65,0.339) 11(-7.65,-0.312) 12(-7.65,-0.964) 13(-7.65,-1.615) 14(-7.65,-2.266) 15(-7.65,-2.918) 16(-7.65,-3.569) 17(-7.65,-4.221) 18(-7.65,-4.872) 19(-7.65,-5.524) 20(-7.65,-6.175) 41(7.65,-6.175) 42(7.65,-5.525) 43(7.65,-4.875) 44(7.65,-4.225) 45(7.65,-3.575) 46(7.65,-2.925) 47(7.65,-2.275) 48(7.65,-1.625) 49(7.65,-0.975) 50(7.65,-0.325) 51(7.65,0.325) 52(7.65,0.975) 53(7.65,1.625) 54(7.65,2.275) 55(7.65,2.925) 56(7.65,3.575) 57(7.65,4.225) 58(7.65,4.875) 59(7.65,5.525) 60(7.65,6.175)
  oval 0.4x1.8 smd: 21(-6.175,-7.65) 22(-5.525,-7.65) 23(-4.875,-7.65) 24(-4.225,-7.65) 25(-3.575,-7.65) 26(-2.925,-7.65) 27(-2.275,-7.65) 28(-1.625,-7.65) 29(-0.975,-7.65) 30(-0.325,-7.65) 31(0.325,-7.65) 32(0.975,-7.65) 33(1.625,-7.65) 34(2.275,-7.65) 35(2.925,-7.65) 36(3.575,-7.65) 37(4.225,-7.65) 38(4.875,-7.65) 39(5.525,-7.65) 40(6.175,-7.65) 61(6.175,7.65) 62(5.525,7.65) 63(4.875,7.65) 64(4.225,7.65) 65(3.575,7.65) 66(2.925,7.65) 67(2.275,7.65) 68(1.625,7.65) 69(0.975,7.65) 70(0.325,7.65) 71(-0.325,7.65) 72(-0.975,7.65) 73(-1.625,7.65) 74(-2.275,7.65) 75(-2.925,7.65) 76(-3.575,7.65) 77(-4.225,7.65) 78(-4.875,7.65) 79(-5.525,7.65) 80(-6.175,7.65)
  silkscreen extent -7.77,-6.02 6.19,7
MA34063 [mil]
  oval 80x24 smd: 1(-125,70) 2(-125,20) 3(-125,-30) 4(-125,-80) 5(115,-80) 6(115,-30) 7(115,20) 8(115,70)
  silkscreen extent -80,-100 70,90, body extent -123,-101 113,92, height 61
"pol cap(10uF)" [mil]
  rect 75x90 smd: 1(187.5,-70) 2(52.5,-70)
  silkscreen extent -1,-129 253,-11, body extent 51,-125 189,-15, height 75
POWER_PIN [mm]
  rect 4x4 smd: 1(0,0)
S0P4 [mil]
  oval 48x60 hole 33: 1(0,0) 2(100.39,0) 3(200.79,0) 4(301.18,0)
  body extent -59,-50 360,50, height 331
SOIC-8(TPS7333/50) [mm]
  oval 1.75x0.6 smd: 1(0.889,-0.635) 2(0.889,-1.905) 3(0.889,-3.175) 4(0.889,-4.445) 5(6.189,-4.445) 6(6.189,-3.175) 7(6.189,-1.905) 8(6.189,-0.635)
  silkscreen extent 2.22,-5.04 4.83,-0.05
Switch_4P [mm]
  rect 2x1.1 smd: 1(-4.5,0) 2(-4.5,-2.54) 3(-4.5,-5.08) 4(-4.5,-7.62) 5(4.5,-7.62) 6(4.5,-5.08) 7(4.5,-2.54) 8(4.5,0)
  silkscreen extent -2.4,-8.38 2.42,0.65
WAFER4#1 [mm]
  rect 2x2.2 smd: 0(-4.5,1.538) 0(4.5,1.538)
  rect 0.6x1.27 smd: 1(-1.875,-1.537) 2(-0.625,-1.537) 3(0.625,-1.537) 4(1.875,-1.537)
  silkscreen extent -3.4,-0.66 3.4,3.54
WAFER4#2 [mm]
  rect 0x0 smd: 0(-4.5,1.538)
  rect 2x2.2 smd: 0(4.5,1.538)
  rect 0.6x1.27 smd: 1(-1.875,-1.537) 2(-0.625,-1.537) 3(0.625,-1.537) 4(1.875,-1.537)
  silkscreen extent -3.4,-0.66 3.4,3.54
二极管 [mm]
  rect 2x1.75 smd: 1(-2.413,0) 2(2.187,0)
  silkscreen extent -2.81,-1.35 2.59,1.35, body extent -2.61,-1.34 2.49,1.33, height 2.12
六脚开关 [mil]
  round 60 hole 30: 1(-100,118.11) 2(0,118.11) 3(100,118.11) 4(-100,-118.11) 5(0,-118.11) 6(100,-118.11)
  silkscreen extent -157,-157 157,157
接线端子 [mil]
  round 120 hole 50: 1(-98.43,0) 2(98.43,0)
  silkscreen extent -217,-160 217,98
电感（220uh） [mm]
  rect 2x6 smd: 1(-3.81,-0.127) 2(3.734,-0.152)
  silkscreen extent -4.29,-3.81 3.96,3.81
"胆电容 - duplicate" [mm]
  rect 2.4x2.45 smd: 1(-2,0) 2(2,0)
  silkscreen extent -3.71,-1.68 3.81,1.7

## Part data
ADC4: library part Bluetooth
C2 C6 C10 C12 C16 C17 C18 C19 C20 C21 C22: library part CAP
C13 C28: "Polarized Capacitor (Radial)"
C14: "Capacitor (Semiconductor SIM Model)"
C15: "Polarized Capacitor (Radia"
K1 K2 K3 K4: library part K_Press
K1: library part 六脚开关
P1 P2 P3: "Header, 4-Pi"
R3 R4 R5 R6 R7 R8 R9 R10 R11 R12 R13 R14 R15 R16 R17 R18 R19 R20 R21 R22 R23 R24 R25 R26 R27 R28 R29 R30: library part Res
R35 R36 R37 R38: library part Res, "Í¨ÓÃµ"
S1: library part 拨码开关(4位)(贴片)
T2 T3 T4 T5 T6 T7 T8 T9: library part N_MOS(IRLR7843), "I"
U1 U3: "Î"

## Free pads (board coordinates)
  round 4 hole 3: 0(15,-5) 1(85.1,-5)

## Via types
v1: diameter 0.508, hole 0.254, Top Layer to Bottom Layer, 60 vias
v2: diameter 0.762, hole 0.381, Top Layer to Bottom Layer, 14 vias
v3: diameter 0.635, hole 0.305, Top Layer to Bottom Layer, 6 vias
v4: diameter 0.381, hole 0.203, Top Layer to Bottom Layer, 4 vias
v5: diameter 1.27, hole 0.635, Top Layer to Bottom Layer, 1 vias

## Nets (pads, with @x,y where several pads share a name; then routed paths per layer and width w, separated by ;. In a path a pad name is that pad's centre, name@x,y a point inside that pad or via, vN(x,y) a via of type N, cw(c..) or ccw(c..) an arc to the next point about the centre after c; other vN are vias at no path point)
5V_ELSE: C3.1 C6.1 C22.1 P1.2 P2.1 P3.4 TP.1 U1.5 U1.6 U1.7 U6.20 | length 79.1
  Top Layer w0.508: U1.7@52.019,-14.766 U1.6@53.289,-14.766 U1.5@54.559,-14.766 C3.1@54.559,-11.976 ; P2.1@72.131,-26.294 P2.1@72.2,-26.294
  Top Layer w0.762: TP.1@23.2,-21.1 25.311,-18.989 P1.2@35.294,-18.989 36.662,-18.989 v2(36.678,-18.974) ; C6.1@53.746,-8.89 54.343,-9.487 C3.1@54.343,-11.76 ; U1.5@54.559,-14.766 54.559,-17.729 56.464,-19.634 56.464,-24.409 58.348,-26.294 P2.1@72.131,-26.294
  Bottom Layer w0.508: v2(36.678,-18.974) v2@36.703,-18.999
  Bottom Layer w0.762: v2(36.678,-18.974) 55.774,-18.974 v2(56.4,-19.6) 55.6,-19.6 53.185,-22.015 U6.20@53.185,-23.5 ; 42.9,-18.774 C22.1@42.9,-17.5 42.9,-16.462 P3.4@43.825,-15.537